# Altium PCB mutiADC_STM.PcbDoc (continued)
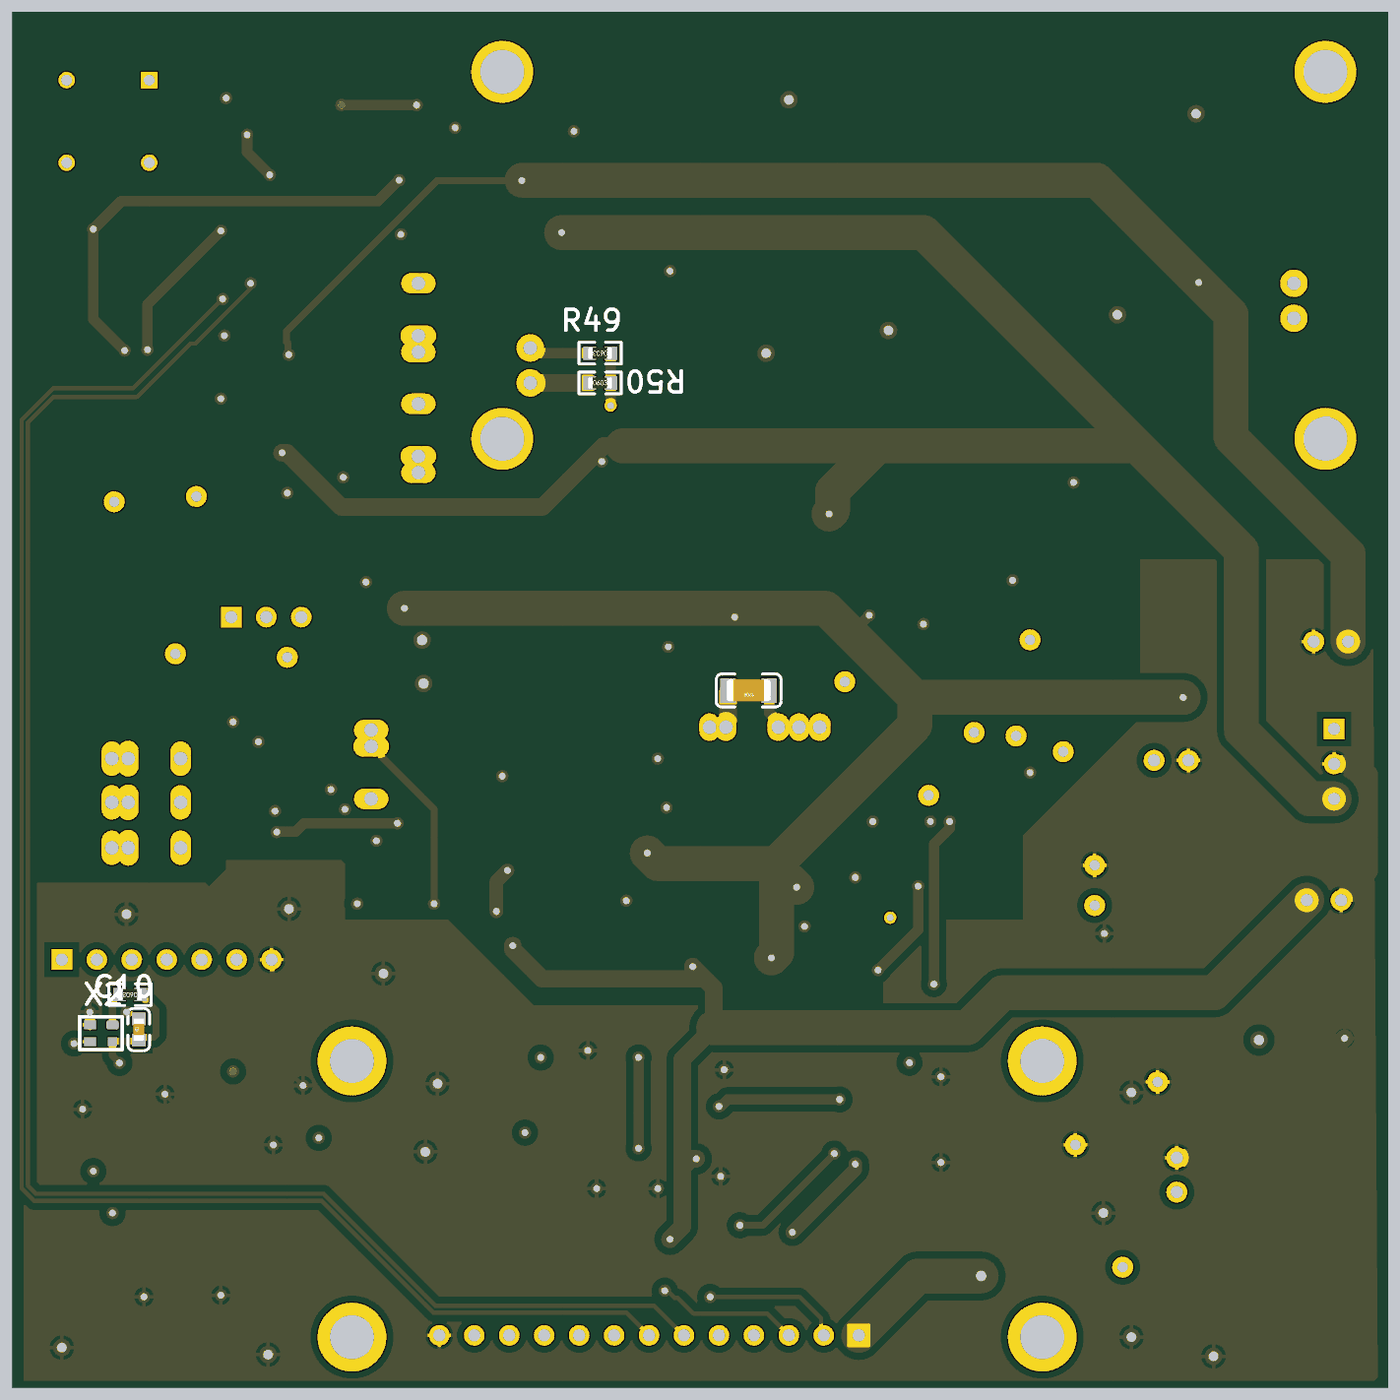
[diagram p5: 3D render of the assembled board from below, using the file's embedded part models]

## Layer stack, top to bottom
Top Solder: solder mask 0.4, Solder Resist, Dk 3.5
Top Layer: signal copper 1.4
Dielectric 2: prepreg 2.8, PP-006, Dk 4.1
Layer 1: signal copper 1.378
Dielectric 1: dielectric 12.6, FR-4, Dk 4.8
Layer 2: signal copper 1.378
Dielectric 3: prepreg 2.8, PP-006, Dk 4.1
Bottom Layer: signal copper 1.4
Bottom Solder: solder mask 0.4, Solder Resist, Dk 3.5

## Board outline
0,0 3937.01,0 3937.01,3937.01 0,3937.01

## Design rules (kind name [scope] priority, off if disabled: settings)
Clearance Clearance_1 [All vs InPolygon] p1: gap=20 ignorepadtopadclearanceinfootprint=FALSE
Clearance [All] p2: gap=6 ignorepadtopadclearanceinfootprint=FALSE
HoleSize [All] p1: absolutevalues=TRUE maxlimit=1000 minlimit=1 maxpercent=80.000 minpercent=20.000
HoleToHoleClearance [All] p1: gap=6 allowstackedmicrovias=TRUE
MinimumSolderMaskSliver [All] p1: minsoldermaskwidth=0
PolygonConnect [All] p1: connectstyle=Relief reliefconductorwidth=10 reliefentries=4 polygonreliefangle="90 Angle" airgapwidth=10
RoutingVias [All] p1: holewidth=18 width=32 viastyle="Through Hole" minholewidth=15 minwidth=32 maxholewidth=28 maxwidth=50
SilkToSilkClearance [All] p1: silktosilkclearance=0
SilkToSolderMaskClearance [IsPad] p1: minsilkscreentomaskgap=0 clearancetoexposedcopper=TRUE
SolderMaskExpansion [All] p1: expansion=4 istentingtop=FALSE
Width [All] p1: maxlimit=1000 minlimit=7 preferedwidth=15
25 further rules are at their usual default settings.

## Components (designator, comment, footprint, x,y, rotation, side; value= is the part's Value field where it differs from the comment)
C1 "104" LC-0603_C 2495,1345 r90 top
C2 "1n" res_381_L 1745,1890 r0 top
C3 "1n" LC-1206_C 1830,1995 r0 bottom
C4 "10n" LC-0805_C 2870,2410 r270 top
C5 "104" LC-0603_C 3405,315 r270 top
C6 "104" LC-0603_C 3805,740 r90 top
C7 "104" LC-0603_C 2975,2255 r0 top
C8 "104" LC-0603_C 2190,1475 r270 top
C9 "104" LC-0603_C 2210,970 r0 top
C10 "104" LC-0603_C 3575,1025 r90 bottom
C11 "10n" LC-0805_C 2525.55,3110 r180 top
C12 "104" LC-0603_C 3225,1780 r90 top
C13 "1n" LC-0603_C 3565,735 r90 top
C14 "104" LC-0603_C 2950,1474.68 r270 top
C15 "104" LC-0603_C 3575,895 r270 top
C16 "104" LC-0603_C 3330,2915 r90 top
C17 "104" LC-0603_C 1395,2215 r270 top
C18 "104" LC-0603_C 1725,2475 r0 top
C19 "10n" LC-0603_C 1810,554.68 r90 top
C20 "3.3n" LC-0603_C 2910,3275 r0 top
C21 "104" LC-0603_C 2300,2450 r180 top
C22 "104" LC-0603_C 3215,2565 r0 top
C23 "270" CAP2.5_65 170,2135 r0 top
C24 "270" CAP2.5_65 190.12,1395 r0 top
C25 "1n" LC-0805_C 1820,1990 r0 top
C26 "1n" LC-0805_C 1815.55,2080 r0 top
C27 "3.3n" LC-0603_C 3585,3020 r0 top
C28 "470p" LC-0805_C 2160,1990.55 r270 top
C29 "1n" LC-0603_C 3445,3640 r270 top
C30 "104" LC-0603_C 2015,2205 r270 top
C31 "200p" LC-0603_C 2255,1925 r270 top
C32 "1n" LC-0603_C 1500,1400 r0 top
C33 "1u" LC-0805_C 436.76,2087.33 r90 top
C34 "270" CAP2.5_65 615,1795 r180 top
C36 "1u" LC-0805_C 505,875 r0 top
C37 "270" CAP2.5_65 605,615 r90 top
C38 "104" LC-0603_C 2009.68,690 r0 top
C41 "104" LC-0603_C 1370.32,1155 r0 top
C42 "104" LC-0603_C 1315,1480 r180 top
C43 "1u" LC-1210_C 545,1140 r0 top
C44 "10u" LC-1210_C 631.93,1510 r180 top
C47 "104" LC-0603_C 1990,1620 r90 top
C48 "104" LC-0603_C 1750,1405 r0 top
C55 "1n" LC-0603_C 3880,3650 r270 top
C58 "104" LC-0603_C 705,1330 r270 top
C80 "104" LC-0603_C 2940,3045 r270 top
C90 "104" LC-0603_C 3140,950 r270 top
C95 "104" LC-0603_C 3330,3590 r90 top
C96 "104" LC-0603_C 2715,3585 r90 top
C97 "104" LC-0603_C 1990,345 r0 top
C98 "104" LC-0603_C 2205,625 r0 top
D1 "BAT54S" LC-SOT-23(SOT-23-3) 1515,1285 r0 top
D2 "5.1V" SOD-123 2925,3395 r0 top
D3 "2.7V" SOD-123 3129.13,3395 r0 top
D4 "BAT54S" LC-SOT-23(SOT-23-3) 1585,550 r180 top
D6 "3.6V" LC-DO-213AA 260,160 r180 top
D7 "5.6V" LC-DO-213AA 855,2035 r90 top
D10 "BAT54S" LC-SOT-23(SOT-23-3) 1250.79,2437.4 r0 top
L1 "LGONG" LM4 3545,3741.22 r0 top
P1 "Header 13" HDR1X13 1515,150 r0 top
P3 "Header 3" HDR1X3 155,1885 r270 top
P4 "Header 7" HDR1X7 3795,1225 r180 top
Q1 "MMBT3904LT1G" ONSC-SOT-23-3-318-08_V 2745,3420 r180 top
Q2 "MMBT3906LT1G" ONSC-SOT-23-3-318-08_V 3302.6,3414.37 r90 top
R1 "20k" res_381 2910,1685 r90 top value=1K
R2 "1k" LC-0603_R 1390,2520 r270 top value=1K
R3 "1M" LC-0603_R 3795,895 r270 top value=1K
R4 "1k" LC-0603_R 1720,670 r90 top value=1K
R5 "10" LC-0603_R 2975,2185 r0 top value=1K
R6 "30" LC-0603_R 3150,1780.32 r270 top value=1K
R7 "30" LC-0603_R 2880,1475 r90 top value=1K
R8 "20k" res_381 3455,1545 r0 top value=1K
R9 "20k" res_381 3455,1675 r0 top value=1K
R10 "160n" LC-0805_R 2650,1600 r0 top value=1K
R11 "10k" LC-0603_R 1545,1909.69 r270 top value=1K
R12 "1k" LC-0603_R 3600,1125 r0 bottom value=1K
R13 "39" LC-0603_R 1945,2205 r270 top value=1K
R14 "68" LC-0603_R 2890,3520 r0 top value=1K
R15 "100" LC-0603_R 3060,3275 r180 top value=1K
R16 "1k" LC-0603_R 1720,545 r90 top value=1K
R17 "68" LC-0603_R 3095,3530 r0 top value=1K
R18 "1k" LC-0603_R 3735,3020 r180 top value=1K
R19 "10" LC-0603_R 3215,2630 r180 top value=1K
R20 "20k" LC-0603_R 2290,1210 r0 top value=1K
R21 "0" LC-0603_R 3570,3335 r180 top value=1K
R22 "50k" LC-0603_R 2415,1210 r0 top value=1K
R23 "100" LC-0603_R 3445,3795 r90 top value=1K
R24 "100" LC-0603_R 3880,3795.31 r90 top value=1K
R25 "1k" LC-0603_R 2405.32,750 r180 top value=1K
R26 "1k" LC-0603_R 2405,815 r0 top value=1K
R27 "10k VS 10k" HDR1x3 3310,2205 r180 top
R28 "20k" res_381 3455,1800 r0 top value=1K
R29 "60" LC-0805_R 2160,1840 r90 top value=1K
R30 "8k" LC-0603_R 1975.31,2320 r0 top value=1K
R31 "5.1k" LC-0603_R 1435,720 r270 top value=1K
R32 "1k" LC-0603_R 3505,180 r180 top value=1K
R33 "160n" LC-0805_R 2650.55,1510 r0 top value=1K
R34 "1k" LC-0603_R 1975,2395 r0 top value=1K
R35 "0.1" LC-1206_R 830,1830 r270 top value=1K
R36 "0.1" LC-1206_R 540,365 r90 top value=1K
R37 "1k" LC-0603_R 1605,2165 r180 top value=1K
R38 "20k" LC-0603_R 1390,2385 r90 top value=1K
R39 "160n" LC-0805_R 2645,2045 r0 top value=1K
R40 "1k" LC-0603_R 2590,2980 r90 top value=1K
R41 "160n" LC-0805_R 2645,2130 r0 top value=1K
R42 "20k" res_381 2775,3160 r270 top value=1K
R43 "2k" res_381 2775,2815 r270 top value=1K
R44 "200" LC-0603_R 2905,2755.32 r270 top value=1K
R45 "20" LC-0603_R 2905,2625 r270 top value=1K
R46 "1k" LC-0603_R 3510,445 r180 top value=1K
R47 "1k" LC-0603_R 1660,1730 r0 top value=1K
R48 "1k" LC-0603_R 1810,695 r270 top value=1K
R49 "10k" LC-0603_R 2255,2960 r0 bottom value=1K
R50 "100" LC-0603_R 2255,2875 r180 bottom value=1K
R56 "12k" LC-0603_R 1225,1795 r0 top value=1K
R61 "0" LC-1206_R 2659.45,1875 r180 top value=1K
R62 "0" LC-1206_R 2660,1765 r180 top value=1K
R64 "10k" LC-0603_R 1435,854.69 r270 top value=1K
R65 "1k" LC-0603_R 2405,650 r180 top value=1K
R66 "1k" LC-0603_R 2409.68,575 r0 top value=1K
R67 "5.1k" LC-0603_R 1435,580 r270 top value=1K
R78 "300" LC-0603_R 1280,550 r270 top value=1K
R81 "470k" LC-0603_R 1150,1150 r180 top value=1K
R82 "100" LC-0603_R 1200,550 r270 top value=1K
R85 "0" LC-1206_R 710,2510 r180 top value=1K
R99 "0" LC-1206_R 855,2290 r270 top value=1K
U1 "ADG733" LC-TSSOP-16 3160,1585 r270 top
U2 "SN74LVC574APWR" PW0020A_L 3330,865 r90 top
U3 "AD826" LC-SOP-8_150mil 2340,1410 r0 top
U4 "NC7SZ04" LC-SC-70-5 3510,320 r270 top
U5 "OPA2277" D0008A_N 3120,2405 r180 top
U6 "NC7SZ04" LC-SC-70-5 3685,895 r270 top
U7 "LM334M" D0008A_L 2915,3710 r90 top
U8 "OPA1656" D0008A_N 1600,2320 r180 top
U9 "ADG508AKRZ" ADI-R-16_N 3130,2930 r0 top
U10 "OPA189" LC-SOIC-8_150mil 2235,2310 r90 top
U11 "REF_PCB" REF_PCB 75,2610 r0 top locked
U12 "LM7805" LC-TO-252-2 645,2010 r270 top
U13 "LM79L05" LC-SOT-89(SOT-89-3) 605.59,1320 r0 top
U16 "LM1117/LM317" LC-TO-252-2 290,730 r90 top
U17 "LT1116CS8" NSO8_N 1250,1320 r180 top
U19 "LM311D" LC-SOIC-8_150mil 2070,490 r270 top
U20 "LM334M" D0008A_L 3150,3710 r90 top
U21 "OPA2140AID" D0008A_N 3585,3180 r0 top
U22 "LM311D" LC-SOIC-8_150mil 2080,835 r270 top
U70 "ADG419" LC-SOIC-8_150mil 1795,1565 r270 top
X1 "XLAT4" SMD_2520 3715,760 r180 top
X2 "XLAT4" SMD_2520 3650,1038.43 r0 bottom

## Footprints (in the part's own frame and the unit in brackets; to place one, negate y for a bottom-side part, rotate by r counter-clockwise, add the part's x,y. Pads: shape width x height; smd on the part's side, far side on the other; paste and mask are expansions set on the pad)
ADI-R-16_N [mm] "SOIC, 16-Leads, Body 9.9x3.9mm, Pitch 1.27mm, IPC Medium Density"
  oval 2.2x0.6 smd: 1(-2.4,4.445) 2(-2.4,3.175) 3(-2.4,1.905) 4(-2.4,0.635) 5(-2.4,-0.635) 6(-2.4,-1.905) 7(-2.4,-3.175) 8(-2.4,-4.445) 9(2.4,-4.445) 10(2.4,-3.175) 11(2.4,-1.905) 12(2.4,-0.635) 13(2.4,0.635) 14(2.4,1.905) 15(2.4,3.175) 16(2.4,4.445)
  silkscreen extent -2.52,-5 0.9,5.42, body extent -2,-5 2,5, height 1.75
CAP2.5_65 [mil]
  round 60 hole 35.43: 1(-55.12,0) 2(43.31,0)
  silkscreen extent -130,-130 130,130
D0008A_L [mm] "SOIC, 8-Leads, Body 5x4mm, Pitch 1.27mm, IPC High Density"
  rrect18% 1.25x0.55 smd: 1(-2.625,1.905) 2(-2.625,0.635) 3(-2.625,-0.635) 4(-2.625,-1.905) 5(2.625,-1.905) 6(2.625,-0.635) 7(2.625,0.635) 8(2.625,1.905)
  silkscreen extent -2.75,-2.5 1.6,2.85, body extent -3,-2.45 3,2.45, height 1.63
D0008A_N [mm] "SOIC, 8-Leads, Body 5x4mm, Pitch 1.27mm, IPC Medium Density"
  rrect17% 1.45x0.6 smd: 1(-2.725,1.905) 2(-2.725,0.635) 3(-2.725,-0.635) 4(-2.725,-1.905) 5(2.725,-1.905) 6(2.725,-0.635) 7(2.725,0.635) 8(2.725,1.905)
  silkscreen extent -2.85,-2.5 1.6,2.88, body extent -3,-2.45 3,2.45, height 1.63
HDR1X3 [mm] "Connector; Header; 3 Position"
  rect 1.5x1.5 hole 0.9: 1(0,0)
  round 1.5 hole 0.9: 2(2.54,0) 3(5.08,0)
  silkscreen extent -1.27,-1.27 6.35,1.27
HDR1x3 [mm] "Connector; Header; 3 Position"
  rect 1.5x1.5 hole 0.9: 1(0,0)
  round 1.5 hole 0.9: 2(2.54,0) 3(5.08,0)
  silkscreen extent -1.27,-1.27 6.35,1.27
HDR1X7 [mm] "Connector; Header; 7 Position"
  rect 1.5x1.5 hole 0.9: 1(0,0)
  round 1.5 hole 0.9: 2(2.54,0) 3(5.08,0) 4(7.62,0) 5(10.16,0) 6(12.7,0) 7(15.24,0)
  silkscreen extent -1.27,-1.27 16.51,1.27
HDR1X13 [mm] "Connector; Header; 13 Position"
  rect 1.5x1.5 hole 0.9: 1(0,0)
  round 1.5 hole 0.9: 2(2.54,0) 3(5.08,0) 4(7.62,0) 5(10.16,0) 6(12.7,0) 7(15.24,0) 8(17.78,0) 9(20.32,0) 10(22.86,0) 11(25.4,0) 12(27.94,0) 13(30.48,0)
  silkscreen extent -1.27,-1.27 31.75,1.27
LC-0603_C [mm]
  rect 0.93x0.98 smd: 1(-0.77,0) 2(0.77,0)
  silkscreen extent -1.53,-0.79 1.54,0.79, body extent -0.8,-0.4 0.8,0.4, height 0.3
LC-0603_R [mm]
  rect 0.93x0.98 smd: 1(-0.77,0) 2(0.77,0)
  silkscreen extent -1.53,-0.79 1.54,0.79, body extent -0.85,-0.4 0.85,0.4, height 0.56
LC-0805_C [mm]
  rect 1.16x1.47 smd: 1(-0.875,0) 2(0.875,0)
  silkscreen extent -1.76,-1.04 1.76,1.04, body extent -1,-0.62 1,0.62, height 0.77
LC-0805_R [mm]
  rect 1.16x1.47 smd: 1(-0.875,0) 2(0.875,0)
  silkscreen extent -1.76,-1.04 1.76,1.03, body extent -1,-0.62 1,0.63, height 0.49
LC-1206_C [mm]
  rect 1.13x1.8 smd: 1(-1.49,0) 2(1.49,0)
  silkscreen extent -2.36,-1.2 2.35,1.2, body extent -1.6,-0.81 1.6,0.79, height 1
LC-1206_R [mm]
  rect 1.13x1.8 smd: 1(-1.49,0) 2(1.49,0)
  silkscreen extent -2.36,-1.2 2.35,1.2, body extent -1.7,-0.86 1.65,0.87, height 0.85
LC-1210_C [mm]
  rect 1.16x2.72 smd: 1(-1.475,0) 2(1.475,0)
  silkscreen extent -2.36,-1.66 2.35,1.66, body extent -1.6,-1.25 1.6,1.25, height 1.3
LC-DO-213AA [mm]
  rect 1.25x1.85 smd: 1(1.7,0) 2(-1.7,0)
  silkscreen extent -1.9,-1.25 1.9,1.25
LC-SC-70-5 [mm]
  rect 1x0.42 smd mask+0.051: 1(0.97,-0.65) 2(0.97,0) 3(0.97,0.65) 4(-0.97,0.65) 5(-0.97,-0.65)
  silkscreen extent -0.2,-1 0.2,1, body extent -1.2,-1.1 1.2,1.1, height 1.1
LC-SOIC-8_150mil [mm]
  oval 0.7x1.8 smd: 1(-1.905,-2.6) 2(-0.635,-2.6) 3(0.635,-2.6) 4(1.905,-2.6) 5(1.905,2.6) 6(0.635,2.6) 7(-0.635,2.6) 8(-1.905,2.6)
  silkscreen extent -2.9,-3.05 2.4,1.4
LC-SOP-8_150mil [mm]
  oval 0.7x1.8 smd: 1(-1.905,-2.6) 2(-0.635,-2.6) 3(0.635,-2.6) 4(1.905,-2.6) 5(1.905,2.6) 6(0.635,2.6) 7(-0.635,2.6) 8(-1.905,2.6)
  silkscreen extent -2.9,-3.07 2.4,1.4, body extent -2.5,-3.1 2.5,3.1, height 1.75
LC-SOT-23(SOT-23-3) [mm]
  rect 1.25x0.7 smd: 1(1.25,-0.95) 2(1.25,0.95) 3(-1.25,0)
  silkscreen extent -0.65,-1.46 0.9,1.46, body extent -1.5,-1.5 1.5,1.5, height 1.3
LC-SOT-89(SOT-89-3) [mm]
  oval 1.9x0.7 smd: 1(0,-1.5) 3(0,1.5)
  oval 3.5x2 smd: 2(-2.5,0)
  oval 2.1x0.7 smd: 2(-0.1,0)
  silkscreen extent -3.1,-2.3 -0.5,2.3, body extent -3.75,-2.25 0.55,2.25, height 1.51
LC-TO-252-2 [mm]
  rect 2.2x1.2 smd: 1(0,-2.361) 3(-0.004,2.361)
  rect 6.5x6 smd: 2(-7,0)
  silkscreen extent -10.75,-3.57 -1.5,3.57, body extent -9.74,-3.27 0.2,3.27, height 2.44
LC-TSSOP-16 [mm]
  oval 0.32x1.7 smd: 1(-2.275,-2.85) 2(-1.625,-2.85) 3(-0.975,-2.85) 4(-0.325,-2.85) 5(0.325,-2.85) 6(0.975,-2.85) 7(1.625,-2.85) 8(2.275,-2.85) 9(2.275,2.85) 10(1.625,2.85) 11(0.975,2.85) 12(0.325,2.85) 13(-0.325,2.85) 14(-0.975,2.85) 15(-1.625,2.85) 16(-2.275,2.85)
  silkscreen extent -3.1,-3.45 2.55,1.6
LM4 [mm]
  rect 1.2x1.2 hole 0.8: 1(0,0)
  round 1.2 hole 0.8: 2(0,-6) 3(6,-6) 4(6,0)
  silkscreen extent -1,-7.1 7,1
NSO8_N [mm] "SOIC, 8-Leads, Body 4.9x3.9mm, Pitch 1.27mm, IPC Medium Density"
  oval 2.2x0.6 smd: 1(-2.4,1.905) 2(-2.4,0.635) 3(-2.4,-0.635) 4(-2.4,-1.905) 5(2.4,-1.905) 6(2.4,-0.635) 7(2.4,0.635) 8(2.4,1.905)
  silkscreen extent -2.53,-2.5 0.9,2.88, body extent -2,-2.5 2,2.5, height 1.75
ONSC-SOT-23-3-318-08_V [mm] "SOT23, 3-Leads, Body 2.92x1.3mm, Pitch 0.95mm"
  rect 0.9x0.8 smd: 1(-1,0.95) 2(-1,-0.95) 3(1,0)
  silkscreen extent -1.13,-1.46 0.65,2.02, body extent -0.65,-1.46 0.65,1.46, height 1.11
PW0020A_L [mm] "SOP, 20-Leads, Body 6.6x4.5mm, Pitch 0.65mm, IPC High Density"
  rrect25% 1.2x0.4 smd: 1(-2.85,2.925) 2(-2.85,2.275) 3(-2.85,1.625) 4(-2.85,0.975) 5(-2.85,0.325) 6(-2.85,-0.325) 7(-2.85,-0.975) 8(-2.85,-1.625) 9(-2.85,-2.275) 10(-2.85,-2.925) 11(2.85,-2.925) 12(2.85,-2.275) 13(2.85,-1.625) 14(2.85,-0.975) 15(2.85,-0.325) 16(2.85,0.325) 17(2.85,0.975) 18(2.85,1.625) 19(2.85,2.275) 20(2.85,2.925)
  silkscreen extent -2.97,-3.3 1.85,3.8, body extent -3.21,-3.25 3.21,3.25, height 1
REF_PCB [mm]
  round 4.5 hole 3.2: 0(2.667,2.667) 0(2.667,29.337) 0(62.484,2.667) 0(62.484,29.337)
  round 2 hole 1: 1(4.953,13.97) 2(4.953,11.43) 3(60.452,6.731) 4(60.452,9.271)
  silkscreen extent 0,0 65.3,32
res_381 [mm]
  oval 1.5x2.5 hole 1: 1(0,0) 2(5,0)
  oval 1.5x2.6 hole 1: 2(3.81,0)
  silkscreen extent -2,-1.5 6.5,1.5
res_381_L [mm]
  oval 1.6x2 hole 1: 1(-3,0) 1(0,0)
  oval 1.5x2 hole 1: 1(-1.5,0) 2(3.81,0) 2(5,0)
  silkscreen extent -2,-1.5 6.5,1.5
SMD_2520 [mm]
  rrect50% 0.889x0.658 smd: 1(0,0)
  rect 0.889x0.65 smd: 2(1.63,0) 3(1.63,1.23)
  rect 0.65x0.65 smd: 4(0,1.23)
  silkscreen extent -0.7,-0.6 2.4,1.8
SOD-123 [mm]
  rect 1x0.75 smd: 1(1.8,0) 2(-1.8,0)
  silkscreen extent -2.17,-0.8 1.35,1.02

## Part data
C1 C2 C3 C4 C5 C6 C7 C8 C9 C10 C11 C12 C13 C14 C15 C16 C17 C18 C19 C20 C21 C22 C23 C24 C25 C26 C27 C28 C29 C30 C31 C32 C33 C34 C36 C37 C38 C41 C42 C43 C44 C47 C48 C55 C58 C80 C90 C95 C96 C97 C98: library part CAP
D1 D4 D10: "Schottky Barrier Double Diode", ComponentLink1Description="Manufacturer Link", ComponentLink1URL=http://www.semiconductors.philips.com/, ComponentLink2Description=Datasheet, ComponentLink2URL=http://www.semiconductors.philips.com/acrobat/datasheets/BAT54_SERIES_4.pdf, DatasheetVersion=4-Mar-2002, LatestRevisionDate=12-Dec-2006, LatestRevisionNote="IPC-7351 Footprint Added.", PackageDescription="3-Pin SOT-23 Package 0.95 mm Pitch, 2.3 mm Lead Span", PackageReference=SOT23, PackageVersion=May-1999, Published=17-Sep-2003, Publisher="Altium Limited"
D2 D3: library part BZT52C16_[C2105], "Imported", BOM_Manufacturer=CJ, BOM_Manufacturer_Part=BZT52C16, SuppliersPartNumber=C2105, ComponentLink1Description=供应商链接, ComponentLink1URL=https://so.szlcsc.com/global.html?c=&k=C2105, EditorVersion=3.12.3, LCEDA2ULVersion=0.1.6865.39546, LCEDA_url=https://lceda.cn/editor#id=!ca04ec34450a02ae72afae8c1a59e195, Publisher=JLC_SMT, Supplier=LCSC, utime="2017/1/4 21:18:35", uuid=ca04ec34450a02ae72afae8c1a59e195
D6 D7: library part "Diode 1N4006", "1 Amp General Purpose Rectifier", Code_JEDEC=DO-204-AL, ComponentLink1Description="Manufacturer Link", ComponentLink1URL=http://www.fairchildsemi.com/, ComponentLink2Description=Datasheet, ComponentLink2URL=http://www.fairchildsemi.com/ds/1N%2F1N4001.pdf, DatasheetVersion=1998, LatestRevisionDate=17-Jul-2002, LatestRevisionNote="Re-released for DXP Platform.", PackageDescription="Diode, Axial; Body 5.2 x 2.7 mm (LxDia. max), Lead Dia. 0.86 mm (max)", PackageReference=DO-41, PackageVersion=Aug-1999, Published=8-Jun-2000, Publisher="Altium Limited"
P1: "Header, 13-Pin", LatestRevisionDate=17-Jul-2002, LatestRevisionNote="Re-released for DXP Platform.", Publisher="Altium Limited"
P3: "Header, 3-Pin", LatestRevisionDate=17-Jul-2002, LatestRevisionNote="Re-released for DXP Platform.", Publisher="Altium Limited"
P4: "Header, 7-Pin", LatestRevisionDate=17-Jul-2002, LatestRevisionNote="Re-released for DXP Platform.", Publisher="Altium Limited"
Q1: library part CMP-1048-00631-1, "General Purpose Transistor, NPN Silicon, 3-Pin SOT-23, Pb-Free, Tape and Reel", Manufacturer="On Semiconductor", ComponentLink1Description="Manufacturer URL", ComponentLink1URL=http://www.onsemi.com/, ComponentLink2Description=Datasheet, ComponentLink2URL=http://www.onsemi.cn/pub_link/Collateral/MMBT3904LT1-D.PDF, ComponentLink3Description="Package Specification", ComponentLink3URL=http://www.onsemi.cn/pub_link/Collateral/318-08.PDF, DatasheetVersion="Rev. 12", fT Min (MHz)=300, IC Continuous (A)=0.2, Mounting Technology="Surface Mount", PackageDescription="3-Pin Small Outline Transistor, Body 2.92 x 1.3 mm, Pitch 0.95 mm", PackageReference=SOT-23-3-318-08, PackageVersion="Rev. AP, 11/2009", Packing="Tape and Reel", PartNumber=MMBT3904LT1G, Polarity=NPN, RoHS=TRUE
Q2: library part CMP-1048-00670-1, "General Purpose Transistor, PNP Silicon, 3-Pin SOT-23, Pb-Free, Tape and Reel", Manufacturer="On Semiconductor", ComponentLink1Description="Manufacturer URL", ComponentLink1URL=http://www.onsemi.com/, ComponentLink2Description=Datasheet, ComponentLink2URL=http://www.onsemi.cn/pub_link/Collateral/MMBT3906LT1-D.PDF, ComponentLink3Description="Package Specification", ComponentLink3URL=http://www.onsemi.cn/pub_link/Collateral/318-08.PDF, DatasheetVersion="Rev. 11", fT Min (MHz)=250, IC Continuous (A)=-0.2, Mounting Technology="Surface Mount", PackageDescription="3-Pin Small Outline Transistor, Body 2.92 x 1.3 mm, Pitch 0.95 mm", PackageReference=SOT-23-3-318-08, PackageVersion="Rev. AP, 11/2009", Packing="Tape and Reel", PartNumber=MMBT3906LT1G, Polarity=PNP, RoHS=TRUE
R1 R2 R3 R4 R5 R6 R7 R8 R9 R10 R11 R12 R13 R14 R15 R16 R17 R18 R19 R20 R21 R22 R23 R24 R25 R26 R28 R29 R30 R31 R32 R33 R34 R35 R36 R37 R38 R39 R40 R41 R42 R43 R44 R45 R46 R47 R48 R49 R50 R56 R61 R62 R64 R65 R66 R67 R78 R81 R82 R85 R99: library part Res2, "Resistor", LatestRevisionDate=17-Jul-2002, LatestRevisionNote="Re-released for DXP Platform.", PackageDescription="Axial Device, Thru-Hole; 2 Leads; 0.4 in Pin Spacing", PackageReference=AXIAL-0.4, Published=8-Jun-2000, Publisher="Altium Limited"
R27: library part LS_RES
U2: library part CMP-1619-01020-2, "Octal Edge-Triggered D-Type Flip-Flop With 3-State Outputs, PW0020A, LARGE T&R", F @ Nom Voltage(Max)(Mhz)=100, Generic Part Number=SN74LVC574A, ICC @ Nom Voltage(Max)(mA)=0.01, Manufacturer="Texas Instruments", Operating Temperature Range(C)="-40 to 125,-40 to 85,-55 to 125", Rating=Catalog, tpd @ Nom Voltage(Max)(ns)=21.5,10,7.8,8.8, Voltage(Nom)(V)=1.8,2.5,2.7,3.3, 3-State Output=Yes, Bits(#)=8, Code_JEDEC=MO-153, DatasheetVersion=SCAS301R, Input Type=TTL,CMOS, Output Drive (IOL/IOH)(Max)(mA)=24/-24, Output Logic=Non-inverted, Output Type=CMOS, PackageReference=PW0020A, Schmitt Trigger=No, Technology Family=LVC, VCC(Max)(V)=3.6, VCC(Min)(V)=1.65
U3: library part TL072ACD, "Low-Noise JFET-Input Operational Amplifier", Code_IPC=SOIC127P600-8, Code_JEDEC=MS-012-AA, ComponentLink1Description="Manufacturer Link", ComponentLink1URL=http://www.onsemi.com/site/products/parametrics/0,4446,251,00.html, DatasheetVersion=1988, LatestRevisionDate=13-Apr-2006, LatestRevisionNote="IPC-7351 Footprint Added.", PackageDescription="8-Pin Small Outline Integrated Circuit 1.27 mm Pitch", PackageReference=751-02, Published=17-Jul-2002, Publisher="Altium Limited"
U5 U8: library part CMP-0272-00255-3, "11 MHz, Precision, Low Noise, Rail-to-Rail Output, JFET Operational Amplifier, 4.5 to 36 V, -40 to 125 degC, 8-pin SOIC (D8), Green (RoHS & no Sb/Br)", Manufacturer="Texas Instruments", PartNumber=OPA2140AID, Rating=Catalog, Total Supply Voltage(Max)(+5V is 5, +/-5V is 10)=36, Total Supply Voltage(Min)(+5V is 5, +/-5V is 10)=4.5, CMRR(Min)(dB)=126, Code_JEDEC=MS-012, ComponentLink1Description="Manufacturer URL", ComponentLink1URL=http://www.ti.com/, ComponentLink2Description=Datasheet, ComponentLink2URL=http://www.ti.com/lit/ds/symlink/opa2140.pdf, ComponentLink3Description="Package Specification", ComponentLink3URL=http://www.ti.com/litv/pdf/msoi002j, DatasheetVersion=SBOS498A, Eco-Plan="Green (RoHS & no Sb/Br)", GBW(Typ)(MHz)=11, IIB(Max)(pA)=10, Iq per channel(Max)(mA)=2, Mounting Technology="Surface Mount", Number of Channels=2, Offset Drift(Typ)(uV/C)=0.35, PackageDescription="8-Pin Plastic Small Outline, Body 4.9 x 3.9 mm, Pitch 1.27 mm", PackageReference=D0008A, PackageVersion="4040047-3/M, 06/2011", Packing=TUBE, Slew Rate(Typ)(V/us)=20, Sub Family="High Supply Voltage Amplifier (>=30V), Low Input Bias Current Amp (<=10pA), Low Noise Amp (<=10nV/rtHz), Low Offset Voltage Amplifier (<=500uV), Precision Amplifier", Vio (25C)(Max)(mV)=0.12
U7 U20: library part CMP-0063-00575-4, "3-Terminal Adjustable Current Source, 8-pin Narrow SOIC", Manufacturer="Texas Instruments", PackageTopMarking=NSZXTT*LM334*M, PowerWise=N, Code_IPC=SOIC127P600-8, Code_JEDEC=MS-012-AA, ComponentLink1Description="Datasheet URL", ComponentLink1URL=http://www.ti.com/general/docs/lit/getliterature.tsp?genericPartNumber=LM334&fileType=pdf, CompType=MiscPower, High-Reliability=Y, PackageDescription="SOIC Narrow, 4.9 x 3.9 x 1.45mm, 8 Lead, 1.27mm Pitch", PackageReference=D0008A, PartNumber=LM334M, PinCount=8, RoHS=N
U9: library part CMP-0793-00084-1, "CMOS 8-Channel Analog Multiplexer, 280 Ohm / 500 Ohm Ron, 16-pin SOIC (R-16), Tube", Manufacturer="Analog Devices", Code_JEDEC=MS-012-AC, ComponentLink1Description="Manufacturer URL", ComponentLink1URL=http://www.analog.com/en/index.html, ComponentLink2Description=Datasheet, ComponentLink2URL=http://www.analog.com/static/imported-files/data_sheets/ADG508A_509A.pdf, ComponentLink3Description="Package Specification", ComponentLink3URL=http://www.analog.com/static/imported-files/packages/PKG_PDF/SOIC_Narrow%20(R)/R_16.pdf, DatasheetVersion="Rev. D", Max Analog Signal Range="Vss to Vdd", Mounting Technology="Surface Mount", PackageDescription="16-Pin Standard Small Outline Package, Body 9.9 x 3.9 mm, Pitch 1.27 mm", PackageReference=R-16, PackageVersion="060606-A, 06/2006", Packing=Tube, PartNumber=ADG508AKRZ, Ron (ohms)=280, t transition (s)=200n
U10: library part OP27GS, "Low-Noise, Precision Operational Amplifier", Code_IPC=SOIC127P600-8, Code_JEDEC=MS-012-AA, ComponentLink1Description="Manufacturer Link", ComponentLink1URL=http://www.analog.com/en/prod/0,,759_786_OP27%2C00.html, ComponentLink2Description=Datasheet, ComponentLink2URL=http://www.analog.com/UploadedFiles/Data_Sheets/314538596OP27_c.pdf, DatasheetVersion=1992, LatestRevisionDate=13-Apr-2006, LatestRevisionNote="IPC-7351 Footprint Added.", Note="Pin 5 is not connected.", PackageDescription="8-Pin Small Outline Integrated Circuit 1.27 mm Pitch", PackageReference=SO-8, PackageVersion=revA, Published=8-Jun-2000, Publisher="Altium Limited"
U17: "Ultra-Fast, Precision TTL Comparator", Code_IPC=SOIC127P600-8, Code_JEDEC=MS-012-AA, ComponentLink1Description="Manufacturer Link", ComponentLink1URL=http://www.maxim-ic.com/, DatasheetVersion=Mar-1993, LatestRevisionDate=13-Apr-2006, LatestRevisionNote="IPC-7351 Footprint Added.", PackageDescription="8-Pin Small Outline Integrated Circuit 1.27 mm Pitch", PackageReference=NSO8, Published=16-Jan-2001, Publisher="Altium Limited"
U19 U22: "High-Performance Voltage Comparator", Code_IPC=SOIC127P600-8, Code_JEDEC=MS-012-AA, ComponentLink1Description="Manufacturer Link", ComponentLink1URL=http://www.onsemi.com/site/products/taxonomy/0,4438,133,00.html, DatasheetVersion=1988, LatestRevisionDate=13-Apr-2006, LatestRevisionNote="IPC-7351 Footprint Added.", PackageDescription="8-Pin Small Outline Integrated Circuit 1.27 mm Pitch", PackageReference=751-02, Published=17-Jul-2002, Publisher="Altium Limited"
U21: library part CMP-0272-00255-3, "11 MHz, Precision, Low Noise, Rail-to-Rail Output, JFET Operational Amplifier, 4.5 to 36 V, -40 to 125 degC, 8-pin SOIC (D8), Green (RoHS & no Sb/Br)", Manufacturer="Texas Instruments", Rating=Catalog, Total Supply Voltage(Max)(+5V is 5, +/-5V is 10)=36, Total Supply Voltage(Min)(+5V is 5, +/-5V is 10)=4.5, CMRR(Min)(dB)=126, Code_JEDEC=MS-012, ComponentLink1Description="Manufacturer URL", ComponentLink1URL=http://www.ti.com/, ComponentLink2Description=Datasheet, ComponentLink2URL=http://www.ti.com/lit/ds/symlink/opa2140.pdf, ComponentLink3Description="Package Specification", ComponentLink3URL=http://www.ti.com/litv/pdf/msoi002j, DatasheetVersion=SBOS498A, Eco-Plan="Green (RoHS & no Sb/Br)", GBW(Typ)(MHz)=11, IIB(Max)(pA)=10, Iq per channel(Max)(mA)=2, Mounting Technology="Surface Mount", Number of Channels=2, Offset Drift(Typ)(uV/C)=0.35, PackageDescription="8-Pin Plastic Small Outline, Body 4.9 x 3.9 mm, Pitch 1.27 mm", PackageReference=D0008A, PackageVersion="4040047-3/M, 06/2011", Packing=TUBE, PartNumber=OPA2140AID, Slew Rate(Typ)(V/us)=20, Sub Family="High Supply Voltage Amplifier (>=30V), Low Input Bias Current Amp (<=10pA), Low Noise Amp (<=10nV/rtHz), Low Offset Voltage Amplifier (<=500uV), Precision Amplifier", Vio (25C)(Max)(mV)=0.12

## Free pads (board coordinates)
  round 196.85 hole 125.98: 12(990,145) 12(990,935) 12(2965,145) 12(2965,935)
  round 60 hole 30: 13(3410,2550) 14(3645,2535) 15(3150,2090) 15(3470,2100) 17(1555,2020) 18(1185,1875) 19(1065,1865) 20(840,1495) 21(840,1380) 22(930,1820) 23(760,345) 24(895,695) 25(660,875) 26(1025,2140) 27(1315,1695)

## Via types
v1: diameter 35, hole 20, Top Layer to Bottom Layer, tented both sides, 104 vias
v2: diameter 50, hole 28, Top Layer to Bottom Layer, tented both sides, 16 vias
v3: diameter 50, hole 30, Top Layer to Bottom Layer, tented both sides, 4 vias
v4: diameter 35, hole 20, Top Layer to Bottom Layer, 2 vias

## Nets (pads, with @x,y where several pads share a name; then routed paths per layer and width w, separated by ;. In a path a pad name is that pad's centre, name@x,y a point inside that pad or via, vN(x,y) a via of type N, cw(c..) or ccw(c..) an arc to the next point about the centre after c; other vN are vias at no path point)
+3.3VA: C12.1 R6.2 U1.16 | length 174.3
  Top Layer w15: R6.2 3230,1750 3230,1745.67 3258,1717.66 3260.31,1717.66 3272.2,1705.77 U1.16
+3V: C5.1 C6.1 C10.1 C15.1 C90.1 D4.2 D6.2 P1.1 P4.1 pad.23 R6.1 R12.1 R25.1 R36.1 R65.1 U2.20 U4.5 U6.5 U16.2 U70.5 X1.4 X2.4 | length 10107
  Top Layer w20: D6.2 D6.2@326.93,171.81 ; P1.1 1535.79,170.79 D4.2 ; U70.5 1916.97,1490 1920.46,1486.51 1920.46,1466.9 2045,1342.36 2045,1215 2175,1085 2280,1085 2420,945 v1(2425,945) ; R65.1 2435.47,650.16 2435.47,720 2442.6,727.13 2467.13,727.13 v1(2470,730) ; C90.1 3212.72,980.32 3214.84,978.19 U2.20 3214.84,874.84 ; R6.1 3150,1870 3185,1905 v1(3305,1905) ; C5.1 3469.69,345.32 3495,320 3585,320 3650,385 v1(3650,500) ; C15.1@3578.94,929.25 v1(3630,929.25) 3657.68,929.25 3659.41,930.98 U6.5 ; v1(3705,620) 3760,675 3760,710.63 ; X1.4 3715.94,710.63 3760,710.63 ; C6.1 3804.06,710.63 3760,710.63
  Top Layer w50: v1(3060,715) 3060,720 3214.84,874.84 3235,895 3465,895 3499.25,929.25 C15.1@3578.94,929.25
  Top Layer w100: U16.2 290,444.57 428.23,306.34 ; D6.2 428.23,261.3 428.23,306.34 ; v3(1165,320) 1151.34,306.34 R36.1 428.23,306.34
  Layer 2 w20: v1(2425,945) 2470,900 v1(2470,730) ; v1(3305,905) 3305,1085 3365,1145 3755,1145 3795,1185 P4.1 3795,1380 3765,1410 3765,1830 3690,1905 v1(3305,1905)
  Layer 2 w100: v3(1165,320) 1896.06,320 1927.56,351.5 2241.5,351.5 2417.5,527.5 ; v1(2470,730) 2470,580 2417.5,527.5 ; v1(3060,715) 3060,552.5 3035,527.5 ; v1(3705,620) 3612.5,527.5 3035,527.5 ; 2417.5,527.5 3035,527.5
  Bottom Layer w20: R12.1 3564.69,1120 3564.69,1119.02 3525,1079.33 3525,1010 3532.01,1002.99 3566.69,1002.99 C10.1 3577.34,992.34 3647.66,992.34 X2.4 3650,949.25 v1(3630,929.25)
  Bottom Layer w100: v3(1165,320) 1345,320 P1.1
+5V: C36.1 C41.1 D1.2 D7.2 pad.22 R35.1 U12.3 U16.3 U17.1 | length 3606
  Top Layer w30: v1@1035,1750 1165,1620 v1(1255,1620) v1(1310,1620) ; v1(1300,1155) C41.1 1340,1155.98 1344.49,1160.47 U17.1 ; v1(1475,1620) 1475.96,1619.04 1530.96,1619.04 1590,1560 1590,1348.19 1573.82,1332.01 1573.82,1323.62 1572.6,1322.4 D1.2
  Top Layer w100: U16.3 197.04,822.04 v3(370,995) 370,945 420,895 ; U12.3 838.13,1910 875,1910 v1(1025,1760) v1@1035,1750
  Layer 2 w30: v1(1310,1620) v1(1475,1620)
  Layer 2 w100: v3(370,995) 720,995 1025,1300 v1(1025,1760)
  Bottom Layer w30: v1(1255,1620) 1255,1600 1300,1555 v1(1300,1155)
+15V: C8.1 C9.1 C16.2 C17.1 C23.1 C33.1 C48.1 C96.1 C98.1 P3.1 Q1.3 R5.1 R13.2 U3.8 U7.4 U8.8 U9.2 U9.13 U11.1 U12.1 U19.8 U22.8 U70.4 | length 12654.6
  Top Layer w12: U9.2 3105,3055 3145,3015 3145,2970 v1@3152.5,2962.5 ; v1(3145.71,2955.71) v1@3152.5,2962.5 ; U9.13 3160,2955 v1@3152.5,2962.5
  Top Layer w30: P3.1 155,2086.76 114.88,2126.88 C23.1 115,2135.12 115,2210 390,2485 390,2790 160,3020 160,3130 185.63,3155.63 265.63,3155.63 U11.1 ; C17.1 1395.16,2245.16 1492.56,2245.16 U8.8 1488.19,2245 1485,2241.81 v1(1485,2210) ; v1(1692.64,1432.05) U70.4 ; v1(1870,2205) 1897.01,2177.99 1941.69,2177.99 R13.2 ; v1(2145,685) 2145,592.36 2151.93,585.43 2151.93,566.22 2153.15,565 U19.8 ; Q1.3@2715,3427.4 C96.1 2718.31,3557.99 2757.99,3557.99 2780,3580 v1(2780,3670) ; v1(2815,2230) 2860,2185 R5.1 ; U7.4 2990,3665 v1(2995,3670) ; U9.13 3323.7,2955 3329.02,2949.68 C16.2@3330,2949.68
  Top Layer w100: P3.1 285,1885 410,2010 U12.1 v1(587.04,1975) ; v1(1765,1230) 1940,1055 2065,1055 2145,975 v1(2145,945) ; v1(2120,1530) 2220,1530 ; v1(2479.07,3453.81) 2683.81,3453.81
  Bottom Layer w20: v1@2477.88,3455 v1(2479.07,3453.81) 2721.19,3453.81 3152.5,3022.5 3152.5,2993.21 3148.58,2989.28 3148.58,2958.58 v1(3145.71,2955.71)
  Bottom Layer w30: v1(1485,2210) 1485,2208.65 1527.5,2166.15 1527.5,2147.5 ; v1(2145,685) v1(2145,945) ; v1(2780,3670) v1(2995,3670)